# Altium PCB ASCII-senoko_pvt1.PcbDoc (part 1 of 3) (continued)
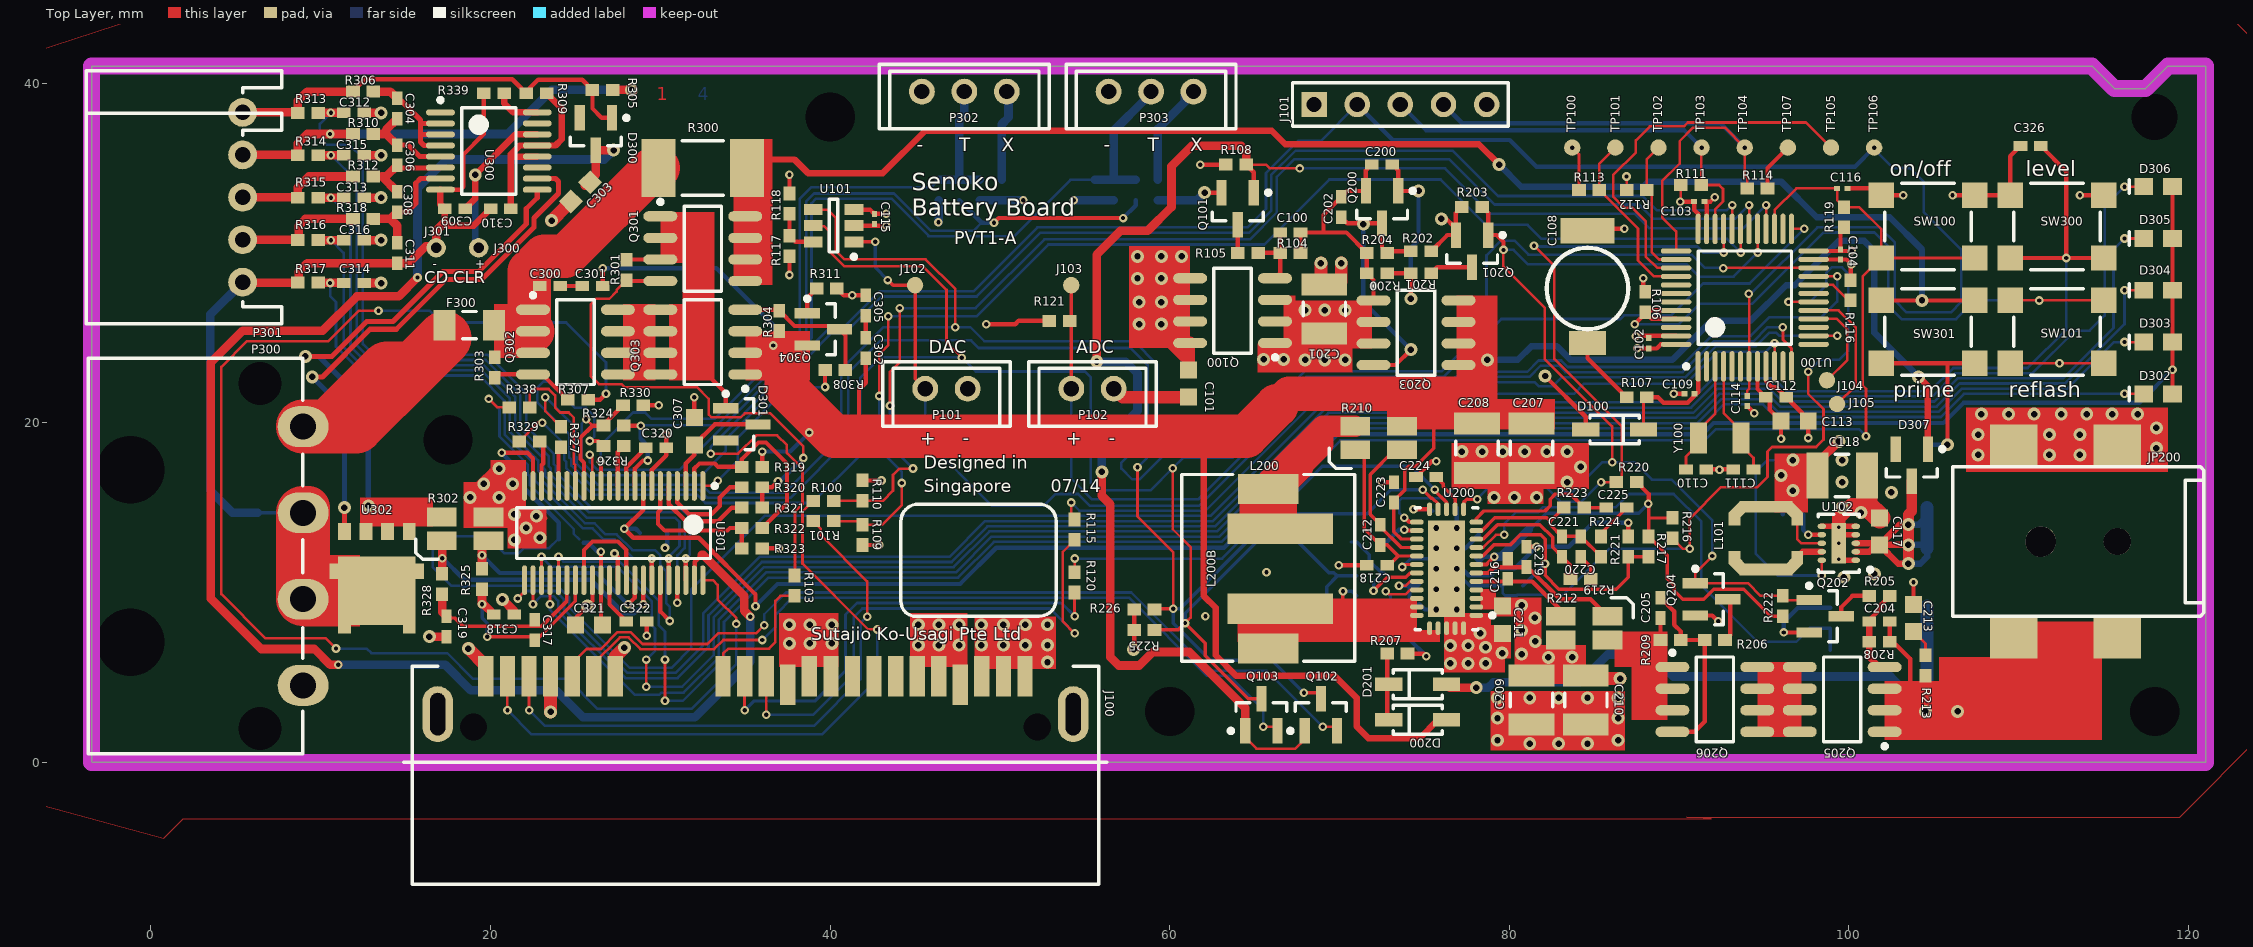
[diagram p0: Top Layer view]
## Design rules (kind name [scope] priority, off if disabled: settings) (continued)
RoutingTopology [All] p0: scope1count=1 scope1_0_kind=Board scope1_0_value=Board scope2count=1 scope2_0_kind=Board scope2_0_value=Board commentlength=0 topology=Shortest
RoutingVias [All] p0: scope1count=1 scope1_0_kind=Board scope1_0_value=Board scope2count=1 scope2_0_kind=Board scope2_0_value=Board commentlength=0 holewidth=0.381 width=0.762 viastyle="Through Hole" minholewidth=0.254 minwidth=0.508 maxholewidth=0.381 maxwidth=0.762
RoutingVias [All] p1: holewidth=0.381 width=0.762 viastyle="Through Hole" minholewidth=0.254 minwidth=0.508 maxholewidth=0.381 maxwidth=0.762
ShortCircuit [All] p0: scope1count=1 scope1_0_kind=Board scope1_0_value=Board scope2count=1 scope2_0_kind=Board scope2_0_value=Board commentlength=0 allowed=FALSE
SilkToBoardRegionClearance [All] p0: scope1count=1 scope1_0_kind=Board scope1_0_value=Board scope2count=1 scope2_0_kind=Board scope2_0_value=Board commentlength=0
SilkToSilkClearance [All] p0 off: scope1count=1 scope1_0_kind=Board scope1_0_value=Board scope2count=1 scope2_0_kind=Board scope2_0_value=Board commentlength=0
SilkToSilkClearance [All] p1 off: silktosilkclearance=0.254
SilkToSolderMaskClearance SilkscreenOverComponentPads [All] p0 off: scope1count=1 scope1_0_kind=Board scope1_0_value=Board scope2count=1 scope2_0_kind=Board scope2_0_value=Board commentlength=44 // Protel DXP Scope 1 Expression Was: IsPad
SilkToSolderMaskClearance SilkscreenOverComponentPads [IsPad] p1 off: minsilkscreentomaskgap=0.254 clearancetoexposedcopper=TRUE
SolderMaskExpansion [All] p0: scope1count=1 scope1_0_kind=Board scope1_0_value=Board scope2count=1 scope2_0_kind=Board scope2_0_value=Board commentlength=0 expansion=0.07
SolderMaskExpansion [All] p1: expansion=0.07
UnRoutedNet [All] p0: scope1count=1 scope1_0_kind=Board scope1_0_value=Board scope2count=1 scope2_0_kind=Board scope2_0_value=Board commentlength=0
Width [All] p0: scope1count=1 scope1_0_kind=Board scope1_0_value=Board scope2count=1 scope2_0_kind=Board scope2_0_value=Board commentlength=0 maxlimit=5.08 minlimit=0.152 preferedwidth=0.203
Width [All] p1: maxlimit=5.08 minlimit=0.152 preferedwidth=0.203 minimp=50.000000 maximp=50.000000 favimp=50.000000
21 further rules are at their usual default settings.

## Classes and differential pairs
component class controller: C100 C101 C102 C103 C104 C108 C109 C110 C111 C112 C113 C114 C115 C116 C117 C118 D100 D101 J100 J101 J102 J103 J104 J105 L101 N100 P101 P102 Q100 Q101 Q102 Q103 R100 R101 R102 R103 R104 R105 R106 R107 R108 R109 R110 R111 R112 R113 R114 R115 R116 R117 R118 R119 R120 R121 SW100 SW101 TP100 TP101 TP102 TP103 TP104 TP105 TP106 TP107 U100 U101 U102 Y100
component class charger: C200 C201 C202 C203 C204 C205 C206 C207 C208 C209 C210 C211 C212 C213 C214 C215 C216 C217 C218 C219 C220 C221 C222 C223 C224 C225 D200 D201 D202 JP200 L200 L200B Q200 Q201 Q202 Q203 Q204 Q205 Q206 R200 R201 R202 R203 R204 R205 R206 R207 R208 R209 R210 R211 R212 R213 R214 R215 R216 R217 R218 R219 R220 R221 R222 R223 R224 R225 R226 U200
component class battery: C300 C301 C302 C303 C304 C305 C306 C307 C308 C309 C310 C311 C312 C313 C314 C315 C316 C317 C318 C319 C320 C321 C322 C323 C324 C325 C326 D300 D301 D302 D303 D304 D305 D306 D307 D308 F300 J300 J301 P300 P301 P302 P303 Q301 Q302 Q303 Q304 R300 R301 R302 R303 R304 R305 R306 R307 R308 R309 R310 R311 R312 R313 R314 R315 R316 R317 R318 R319 R320 R321 R322 R323 R324 R325 R326 R327 R328 R329 R330 R331 R332 R333 R334 R335 R336 R337 R338 R339 SW300 SW301 U300 U301 U302

## Components (designator, comment, footprint, x,y, rotation, side; value= is the part's Value field where it differs from the comment)
C100 "10nF, X7R, 50V 10%" CAPC1005N 67.1,31.2 r180 top
C101 "2.2uF, 25V, 10% X5R" CAPC1608N 61.1,22.3 r270 top
C102 "0.1uF, 6.3V, X5R" CAPC0603N_B 88.21,24.677 r90 top
C103 "0.1uF, 6.3V, X5R" CAPC0603N_B 91.18,33.02 r0 top
C104 "0.1uF, 6.3V, X5R" CAPC0603N_B 99.5,29.9 r270 top
C108 "0.06F 3.3V coin supercap" TAIYO_YUDEN_PAS414HR-VA5R 84.6,27.9 r90 top
C109 "0.1uF, 6.3V, X5R" CAPC0603N_B 90.614,21.707 r180 top
C110 "6.8pF, NP0" CAPC1005N 91,17.25 r0 top
C111 "6.8pF, NP0" CAPC1005N 93.775,17.25 r180 top
C112 "10nF, X7R, 50V 10%" CAPC1005N 95.7,21.5 r0 top
C113 "1.0uF, 25V, 20% X5R" CAPC1608N 96.8,20.1 r0 top
C114 "0.1uF, 6.3V, X5R" CAPC0603N_B 94.008,21.282 r270 top
C115 "0.1uF, 6.3V, X5R" CAPC0603N_B 42.6,32 r90 top
C116 "0.1uF, 6.3V, X5R" CAPC0603N_B 99.6,33.8 r180 top
C117 "2.2uF, 25V, 10% X5R" CAPC1608N 101.8,13.6 r90 top
C118 "22uF, 25V, X5R, 10%" CAPC3225N 99.6,16.9 r0 top
C200 "DNP" CAPC1005N 72.5,35.2 r180 top
C201 "22uF, 25V, X5R, 10%" CAPC3225N 69.1,26.7 r90 top
C202 "0.1uF, 25V, X5R" CAPC1005N 70.1,32.7 r270 top
C203 "0.1uF, 25V, X5R" CAPC1005N 74.7,9.925 r270 bottom
C204 "0.1uF, 25V, X5R" CAPC1005N 101.8,8.3 r0 top
C205 "10nF, X7R, 50V 10%" CAPC1005N 88.9,9.1 r270 top
C206 "0.1uF, 25V, X5R" CAPC1005N 71,10.4 r270 bottom
C207 "22uF, 25V, X5R, 10%" CAPC3225N 81.3,18.5 r270 top
C208 "22uF, 25V, X5R, 10% (DNP)" CAPC3225N 78.1,18.5 r270 top
C209 "22uF, 25V, X5R, 10%" CAPC3225N 81.3,3.675 r270 top
C210 "22uF, 25V, X5R, 10% (DNP)" CAPC3225N 84.5,3.675 r270 top
C211 "1.0uF, 25V, 20% X5R" CAPC1608N 79.6,8.4 r270 top
C212 "0.1uF, 25V, X5R" CAPC1005N 72.4,13.4 r270 top
C213 "2.2uF, 25V, 10% X5R" CAPC1608N 103.8,8.5 r90 top
C214 "1.0uF, 25V, 20% X5R" CAPC1608N 78.2,12.6 r90 bottom
C215 "1.0uF, 25V, 20% X5R" CAPC1608N 72.625,11.925 r90 bottom
C216 "0.1uF, 25V, X5R" CAPC1005N 79.9,11.4 r270 top
C217 "10nF, X7R, 50V 10%" CAPC1005N 97.7,8.5 r90 bottom
C218 "0.1uF, 25V, X5R" CAPC1005N 72.2,11.6 r0 top
C219 "0.1uF, 25V, X5R" CAPC1005N 81,12.1 r90 top
C220 "2.2nF, X7R, 10%" CAPC1005N 84.2,12.7 r90 top
C221 "51pF, NP0" CAPC1005N 83.1,12.7 r90 top
C222 "1.0uF, 25V, 20% X5R" CAPC1608N 76.25,14.8 r0 bottom
C223 "0.1uF, 25V, X5R" CAPC1005N 73.2,15.9 r270 top
C224 "100pF, NP0" CAPC1005N 75.1,16.8 r180 top
C225 "130pF, NP0" CAPC1005N 86.3,15 r180 top
C300 "0.1uF, 25V, X5R" CAPC1005N 23.5,28.05 r180 top
C301 "0.1uF, 25V, X5R" CAPC1005N 26,28.05 r180 top
C302 "0.1uF, 25V, X5R" CAPC1005N 42.1,24.4 r270 top
C303 "1.0uF, 25V, 20% X5R" CAPC1608N 25.3,33.6 r225 top
C304 "0.1uF, 25V, X5R" CAPC1005N 14.5,38.5 r270 top
C305 "0.1uF, 25V, X5R" CAPC1005N 42.1,26.9 r270 top
C306 "0.1uF, 25V, X5R" CAPC1005N 14.5,35.75 r270 top
C307 "1.0uF, 25V, 20% X5R" CAPC1608N 32,19.5 r90 top
C308 "0.1uF, 25V, X5R" CAPC1005N 14.5,33 r270 top
C309 "0.22uF, 25V, X5R" CAPC1005N 17.9,32.6 r180 top
C310 "0.1uF, 25V, X5R" CAPC1005N 20.6,32.6 r180 top
C311 "0.1uF, 25V, X5R" CAPC1005N 14.5,30 r270 top
C312 "0.1uF, 25V, X5R" CAPC1005N 11.95,38.25 r0 top
C313 "0.1uF, 25V, X5R" CAPC1005N 11.95,33.25 r0 top
C314 "0.1uF, 25V, X5R" CAPC1005N 11.95,28.225 r0 top
C315 "0.1uF, 25V, X5R" CAPC1005N 11.95,35.75 r0 top
C316 "0.1uF, 25V, X5R" CAPC1005N 11.95,30.75 r0 top
C317 "0.1uF, 25V, X5R" CAPC1005N 22.6,7.8 r90 top
C318 "0.1uF, 25V, X5R" CAPC1005N 20.8,8.7 r0 top
C319 "0.1uF, 25V, X5R" CAPC1005N 17.4,8 r270 top
C320 "0.1uF, 25V, X5R" CAPC1005N 29.75,18.525 r0 top
C321 "1.0uF, 25V, 20% X5R" CAPC1608N 25.8,8.1 r180 top
C322 "0.1uF, 25V, X5R" CAPC1005N 28.6,8.3 r0 top
C323 "10uF, 10V, X5R, 20%" CAPC1608N 29.6,13.5 r0 bottom
C324 "0.47uF, 16V, X5R" CAPC1005N 55.6,33.7 r270 bottom
C325 "0.47uF, 16V, X5R" CAPC1005N 48.8,33.7 r270 bottom
C326 "0.1uF, 25V, X5R" CAPC1005N 110.7,36.3 r180 top
D100 "BAT54T1G" SOD123 86.2,19.6 r0 top
D101 "BAT54T1G" SOD123 104.6,10.9 r90 bottom
D200 "BAT54T1G" SOD123 74.6,2.5 r180 top
D201 "BAT54T1G" SOD123 74.6,4.6 r180 top
D202 "BAT54T1G" SOD123 68.975,12.975 r180 bottom
D300 "BAS16" SOT23-3N 26.2,37 r270 top
D301 "BAS16" SOT23-3N 34.8,19.9 r0 top
D302 "APT1608SGC green" CD1608-0603 118.2,21.7 r180 top
D303 "APT1608SGC green" CD1608-0603 118.2,24.75 r180 top
D304 "APT1608SGC green" CD1608-0603 118.2,27.8 r180 top
D305 "APT1608SGC green" CD1608-0603 118.2,30.85 r180 top
D306 "APT1608SGC green" CD1608-0603 118.2,33.9 r180 top
D307 "BAS16" SOT23-3N 103.7,17.5 r270 top
D308 "BAT54T1G" SOD123 104.6,16.7 r270 bottom
F300 "Littlefuse 0437007.WR 7A 35V Fast Blow" RESC3216N 18.75,25.75 r0 top
J100 "MOLEX 47018-2000 female" SATA_MOLEX_47018_2000 35.6,2.075 r0 top
J101 "Male 2.54mm 5x1 header (DNP)" HDR1X5 68.5,38.74 r0 top
J102 "test point (DNP)" TP_SMT_38mil 45,28.1 r90 top
J103 "test point (DNP)" TP_SMT_38mil 54.2,28.1 r90 top
J104 "test point (DNP)" TP_SMT_38mil 98.7,22.5 r180 top
J105 "test point (DNP)" TP_SMT_38mil 99.3,21.1 r180 top
J300 "test point (DNP)" TP_HOLE 19.3,30.3 r90 top
J301 "test point (DNP)" TP_HOLE 16.8,30.3 r90 top
JP200 "2.1mm x 5.5mm DC jack" CUI_PJ_002AH_SMT 111.3,13 r180 top
L101 "10uH LPS4018-103" COILCRAFT_LPS4018 95.1,13.2 r90 top
L200 "3.3uH, MSS1260-332NL (DNP)" COILCRAFT_MSS1048 65.8,6.7 r0 top
L200B "3.3uH, XAL7030-322MEC" COILCRAFT_XAL7030 66.5,11.4 r90 top
P101 "JST B2B-EH-A" JST_B2B_EH_A 45.6,22 r0 top
P102 "JST B2B-EH-A" JST_B2B_EH_A 54.2,22 r0 top
P300 "Molex 15-24-4441" MOLEX_15-24-4441 -1.2,12.15 r90 top
P301 "JST S4B-XH-A" JST_S5B-XH-A_OPT4 5.4,34.525 r90 top
P302 "JST B3B-EH-A" JST_B3B_EH_A 45.4,39.5 r0 top
P303 "JST B3B-EH-A" JST_B3B_EH_A 56.4,39.5 r0 top
Q100 "Si4435DY" SOIC127P600-8AN 63.7,26.6 r180 top
Q101 "BSS138" SOT23-3N 64,32.6 r270 top
Q102 "BSS138" SOT23-3N 68.9,2.8 r90 top
Q103 "BSS138" SOT23-3N 65.4,2.8 r90 top
Q200 "FDN304P" SOT23-3N 72.5,32.7 r270 top
Q201 "BSS138" SOT23-3N 77.8,30.1 r270 top
Q202 "BSS138" SOT23-3N 98.6,8.6 r0 top
Q203 "Si4435DY" SOIC127P600-8AN 74.5,25.3 r0 top
Q204 "BSS138" SOT23-3N 91.9,9.6 r0 top
Q205 "Si4435DY" SOIC127P600-8AN 99.6,3.7 r180 top
Q206 "Si4435DY" SOIC127P600-8AN 92.1,3.7 r0 top
Q301 "Si4435DY" SOIC127P600-8AN 32.5,30.25 r0 top
Q302 "FDS6690A" SOIC127P600-8AN 25,24.75 r0 top
Q303 "FDS6690A" SOIC127P600-8AN 32.5,24.75 r180 top
Q304 "BSS138" SOT23-3N 39.6,25.5 r0 top
R100 "330, 1%" RESC1005N 39.6,15.4 r180 top
R101 "330, 1%" RESC1005N 39.6,14.2 r180 top
R102 "100k, 1%" RESC1005N 96.7,14.6 r0 bottom
R103 "330, 1%" RESC1005N 37.9,10.4 r270 top
R104 "10k, 1%" RESC1005N 67.1,30 r0 top
R105 "10k, 1%" RESC1005N 64.6,30 r0 top
R106 "47k, 1%" RESC1005N 88,27.1 r270 top
R107 "1k, 1%" RESC1005N 87.5,21.5 r0 top
R108 "100k, 1%" RESC1005N 63.9,35.2 r0 top
R109 "47k, 1%" RESC1005N 41.9,13.4 r270 top
R110 "47k, 1%" RESC1005N 41.9,16 r90 top
R111 "10k, 1%" RESC1005N 90.7,34 r180 top
R112 "10k, 1%" RESC1005N 87.5,33.7 r180 top
R113 "10k, 1%" RESC1005N 84.7,33.7 r180 top
R114 "10k, 1%" RESC1005N 94.6,33.8 r180 top
R115 "330, 1%" RESC1005N 54.4,13.7 r270 top
R116 "10k, 1%" RESC1005N 100.1,27.8 r270 top
R117 "10k, 1% (DNP)" RESC1005N 37.6,30.4 r90 top
R118 "10k, 1%" RESC1005N 37.6,32.9 r90 top
R119 "47k, 1%" RESC1005N 99.7,32.1 r270 top
R120 "330, 1%" RESC1005N 54.4,10.6 r270 top
R121 "4.7k, 1%" RESC1005N 53.5,26 r180 top
R200 "10k, 1%" RESC1005N 72.2,28.8 r0 top
R201 "20k, 1%" RESC1005N 74.8,28.8 r0 top
R202 "100k, 1%" RESC1005N 74.8,30.1 r0 top
R203 "1M, 1%" RESC1005N 77.8,32.7 r0 top
R204 "100k, 1%" RESC1005N 72.2,30 r0 top
R205 "10k, 1%" RESC1005N 101.8,9.8 r180 top
R206 "10k, 1%" RESC1005N 92.1,7.2 r180 top
R207 "10 ohm, 1%" RESC1005N 73.4,6.4 r0 top
R208 "10k, 1%" RESC1005N 101.8,7.1 r180 top
R209 "10k, 1%" RESC1005N 89.5,7.2 r0 top
R210 "0.010 ohm, 1% kelvin, 50ppm" OHMITE_LVK_1206_KELVIN 72.3,19.1 r0 top
R211 "3.9 ohm, 5%" RESC1005N 72.8,9.075 r180 bottom
R212 "0.010 ohm, 1% kelvin, 50ppm" OHMITE_LVK_1206_KELVIN 84.4,7.9 r180 top
R213 "3.9 ohm, 5%" RESC1005N 104.5,5.7 r90 top
R214 "316k, 1%" RESC1005N 98.9,6 r90 bottom
R215 "66.5k, 1%" RESC1005N 98.9,8.5 r90 bottom
R216 "10k, 1%" RESC1005N 89.6,13.8 r270 top
R217 "200k, 1%" RESC1005N 88.2,12.7 r270 top
R218 "1.4M, 1%" RESC1005N 80.2,10.575 r180 bottom
R219 "7.5k, 1%" RESC1005N 84.2,10.8 r180 top
R220 "10k, 1%" RESC1005N 86.9,16.5 r180 top
R221 "49.9k, 1%" RESC1005N 87,12.7 r90 top
R222 "10k, 1%" RESC1005N 96.1,9.2 r90 top
R223 "200k, 1%" RESC1005N 83.8,15 r0 top
R224 "20k, 1%" RESC1005N 85.4,12.7 r90 top
R225 "10k, 1%" RESC1005N 58.5,7.8 r0 top
R226 "10k, 1%" RESC1005N 58.5,9 r0 top
R300 "300, 5%, 1W" RESC6432N 32.5,35 r180 top
R301 "1M, 1%" RESC1005N 28,29 r90 top
R302 "0.010 ohm, 1% kelvin, 50ppm" OHMITE_LVK_1206_KELVIN 18.5,13.75 r0 top
R303 "3.01M, 1%" RESC1005N 20.25,23.25 r270 top
R304 "3.01M, 1%" RESC1005N 37,26 r270 top
R305 "0 ohm" RESC1005N 26.6,39.6 r180 top
R306 "1k, 1%" RESC1005N 12.5,39.5 r0 top
R307 "5.1k, 1%" RESC1005N 25.15,21.35 r0 top
R308 "5.1k, 1%" RESC1005N 40.3,23.1 r180 top
R309 "1k, 1%" RESC1005N 22.7,39.4 r0 top
R310 "1k, 1%" RESC1005N 12.5,37 r0 top
R311 "1M, 1%" RESC1005N 39.8,27.9 r0 top
R312 "1k, 1%" RESC1005N 12.5,34.5 r0 top
R313 "100, 1%" RESC1005N 9.25,38.25 r0 top
R314 "100, 1%" RESC1005N 9.25,35.75 r0 top
R315 "100, 1%" RESC1005N 9.25,33.25 r0 top
R316 "100, 1%" RESC1005N 9.25,30.75 r0 top
R317 "100, 1%" RESC1005N 9.25,28.25 r0 top
R318 "1k, 1%" RESC1005N 12.5,32 r0 top
R319 "1k, 1%" RESC1005N 35.4,17.4 r180 top
R320 "5.1k, 1%" RESC1005N 35.4,16.2 r180 top
R321 "5.1k, 1% (DNP)" RESC1005N 35.4,15 r180 top
R322 "100k, 1% (DNP)" RESC1005N 35.4,13.8 r0 top
R323 "100k, 1%" RESC1005N 35.4,12.6 r0 top
R324 "100k, 1%" RESC1005N 27.25,19.825 r180 top
R325 "100, 1%" RESC1005N 19.5,10.8 r90 top
R326 "0 ohm" RESC1005N 27.25,18.625 r180 top
R327 "0 ohm" RESC1005N 24.15,19.15 r90 top
R328 "100, 1%" RESC1005N 17.15,10.5 r90 top
R329 "0 ohm" RESC1005N 22.3,18.9 r180 top
R330 "1k, 1%" RESC1005N 28.4,21.025 r0 top
R331 "8.45k, 1%" RESC1005N 47.6,33.7 r270 bottom
R332 "8.45k, 1%" RESC1005N 58,33.7 r270 bottom
R333 "61.9k, 1%" RESC1005N 56.7,33.7 r90 bottom
R334 "100k, 1%" RESC1005N 24.625,13.125 r0 bottom
R335 "61.9k, 1%" RESC1005N 46.4,33.7 r90 bottom
R336 "10k, 1%" RESC1005N 50.1,33.7 r90 bottom
R337 "10k, 1%" RESC1005N 59.3,33.7 r90 bottom
R338 "5.1k, 1%" RESC1005N 21.7,20.9 r0 top
R339 "1k, 1% (DNP)" RESC1005N 20.2,39.4 r180 top
SW100 "TL3342F160QG/TR" SWITCH_TS-1187A 101.9,29.7 r90 top
SW101 "TL3342F160QG/TR" SWITCH_TS-1187A 109.5,23.5 r90 top
SW300 "TL3342F160QG/TR" SWITCH_TS-1187A 115,33.4 r270 top
SW301 "TL3342F160QG/TR" SWITCH_TS-1187A 107.4,27.2 r270 top
TP100 "38mil SMT pad" TP_SMT_38mil 83.7,36.2 r90 top
TP101 "38mil SMT pad" TP_SMT_38mil 86.24,36.2 r90 top
TP102 "38mil SMT pad" TP_SMT_38mil 88.78,36.2 r90 top
TP103 "38mil SMT pad" TP_SMT_38mil 91.32,36.2 r90 top
TP104 "38mil SMT pad" TP_SMT_38mil 93.86,36.2 r90 top
TP105 "38mil SMT pad" TP_SMT_38mil 98.94,36.2 r90 top
TP106 "38mil SMT pad" TP_SMT_38mil 101.48,36.2 r90 top
TP107 "38mil SMT pad" TP_SMT_38mil 96.4,36.2 r90 top
U100 "STM32F101C8T6" TSQFP50P900X900-48N 93.867,27.364 r90 top
U101 "DAC081C081CIMK" SOT26A-6N 40.2,31.6 r180 top
U102 "TPS62177DQCT" TI_DQC_R_PWSON_N10 99.4,12.9 r180 top
U200 "BQ24765RUV" TI_R-PVQFN-N34 76.3,11.4 r180 top
U300 "bq77PL157A4225" TSOP65P640-16AN 19.9,36 r0 top
U301 "BQ20Z95DBT" TSSOP50P640-44N 27.25,13.5 r270 top
U302 "NTMFS4C35NT1G" ONSEMI_DFN5_5x6_1.27P 13.3,10.8 r0 top
Y100 "Abracon ABS07-120-32.768KHZ-T 6pF CL" ABS07-120 92.4,19.1 r180 top

## Footprints (in the part's own frame and the unit in brackets; to place one, negate y for a bottom-side part, rotate by r counter-clockwise, add the part's x,y. Pads: shape width x height; smd on the part's side, far side on the other; paste and mask are expansions set on the pad)
ABS07-120 [mm] "32.768kHz SMD low-ESR"
  rect 1x1.8 smd: 1(-1.25,0) 2(1.25,0)
CAPC0603N_B [mm] "Chip Capacitor, 2-Leads, Body 0.6x0.3mm, IPC Medium Density"
  rect 0.35x0.3 smd mask+0.07: 1(-0.3,0) 2(0.3,0)
CAPC1005N [mm] "Chip Capacitor, Body 1.0x0.5mm, IPC Medium Density"
  rect 0.8x0.6 smd: 1(-0.6,0) 2(0.6,0)
CAPC1608N [mm] "Chip Capacitor, Body 1.6x0.8mm, IPC Medium Density"
  rect 1x1 smd: 1(-0.8,0) 2(0.8,0)
CAPC3225N [mm] "Chip Capacitor, Body 3.2x2.5mm, IPC Medium Density"
  rect 1.3x2.7 smd: 1(-1.45,0) 2(1.45,0)
  silkscreen extent -0.4,-1.25 0.4,1.25
CD1608-0603 [mm] "Chip Diode; Body 1.6 x 0.8 mm (LxW typ)"
  rect 1.1x1 smd: 1(-0.85,0) 2(0.85,0)
  silkscreen extent 1.7,-0.4 1.7,0.4
COILCRAFT_LPS4018 [mm] "Coilcraft SMT power inductor, shielded, high current"
  rect 0.7x3.124 smd mask+0.07: 1(-1.85,0) 2(1.85,0)
  rect 0.7x1 smd rot 135 mask+0.07: 1(-1.6,1.6) 2(1.6,-1.6)
  rect 0.7x1 smd rot 45 mask+0.07: 1(-1.6,-1.6) 2(1.6,1.6)
  rect 0.75x0.7 smd mask+0.07: 1(-1.125,1.85) 1(-1.125,-1.85) 2(1.125,1.85) 2(1.125,-1.85)
COILCRAFT_MSS1048 [mm] "Coilcraft shielded power inductor"
  rect 3.56x1.78 smd mask+0.075: 1(0,0) 2(0,9.4)
  silkscreen extent -5.1,-0.75 5.1,10.25
COILCRAFT_XAL7030 [mm] "XAL7030 inductor"
  rect 1.78x6.22 smd: 1(-2.36,0) 2(2.36,0)
CUI_PJ_002AH_SMT [mm] "SMT 2.1mmx5.5mm ID (P-5) connector"
  round 1.6 hole 1.6 unplated: 0(-4.5,0)
  round 1.8 hole 1.8 unplated: 0(0,0)
  rect 2.8x2.4 smd: 1(-4.5,5.7) 1(1.6,5.7) 2(-4.5,-5.7) 3(1.6,-5.7)
  silkscreen extent -9.6,-4.4 5.2,4.4
HDR1X5 [mm] "Connector; Header; 5 Position"
  rect 1.5x1.5 hole 0.9: 1(0,0)
  round 1.5 hole 0.9: 2(2.54,0) 3(5.08,0) 4(7.62,0) 5(10.16,0)
  silkscreen extent -1.27,-1.27 11.43,1.27
JST_B2B_EH_A [mil] "2-pin 2.5mm low cost connector"
  round 60 hole 35.43: 1(0,0) 2(98.42,0)
  silkscreen extent -98,-87 197,63
JST_B3B_EH_A [mil] "3-pin 2.5mm low cost connector"
  round 60 hole 35.43: 1(0,0) 2(98.43,0) 3(196.85,0)
  silkscreen extent -98,-87 295,63
JST_S5B-XH-A_OPT4 [mm] "JST 5-pin 2.5mm RA male connector with 4-pin stuff option"
  round 1.7 hole 0.9 mask+0.07: 1(3.75,0) 2(1.25,0) 3(-1.25,0) 4(-3.75,0) 5(-6.25,0)
  silkscreen extent -8.7,-2.3 6.2,9.2
MOLEX_15-24-4441 [mm] "4-pin classic PC disk drive power connector, RA"
  round 2.4 hole 2.54 unplated mask+0.07: 0(-10.16,-7.62) 0(10.16,-7.62)
  round 2.4 hole 3.99 unplated mask+0.07: 0(-5.08,0) 0(5.08,0)
  oval 2.4x3 hole 1.52 mask+0.07: 1(7.62,-10.16) 2(2.54,-10.16) 3(-2.54,-10.16) 4(-7.62,-10.16)
  silkscreen extent -11.65,-10.15 11.65,2.5
OHMITE_LVK_1206_KELVIN [mm] "4-terminal kelvin sense resistor, 1206 package"
  rect 1.75x1.1 smd mask+0.07: 1(-1.375,-0.7) 2(-1.375,0.7) 3(1.375,0.7) 4(1.375,-0.7)
  silkscreen extent -2.9,-1.8 -1.6,-0.6
ONSEMI_DFN5_5x6_1.27P [mm] "DFN 5x6 package, power FET"
  rect 0.75x1 smd mask+0.07: 1(1.905,2.795) 2(0.635,2.795) 3(-0.635,2.795) 4(-1.905,2.795)
  rect 0.495x0.905 smd mask+0.07: 5(-2.528,0.453) 8(2.528,0.453)
  rect 0.75x0.475 smd mask+0.07: 6(-1.905,-2.963) 7(1.905,-2.963)
  rect 4.56x4.055 smd paste-3 mask+0.07: 9(0,-0.697)
RESC1005N [mm] "Chip Resistor, Body 1.1x0.5mm, IPC Medium Density"
  rect 0.8x0.7 smd: 1(-0.6,0) 2(0.6,0)
RESC3216N [mm] "Chip Resistor, Body 3.2x1.6mm, IPC Medium Density"
  rect 1.3x1.8 smd: 1(-1.45,0) 2(1.45,0)
  silkscreen extent -0.4,-0.8 0.4,0.8
RESC6432N [mm] "Chip Resistor, Body 6.4x3.2mm, IPC Medium Density"
  rect 2x3.4 smd: 1(-2.6,0) 2(2.6,0)
  silkscreen extent -1.2,-1.6 1.2,1.6
SATA_MOLEX_47018_2000 [mm] "SATA docking connector, top mount type"
  oval 1.8x3.3 hole 0.9 slot 2.5 at 90 deg mask+0.07: 0(-18.71,0.76) 0(18.71,0.76)
  round 1 hole 1.6 unplated mask+0.07: 0(-16.595,0) 0(16.595,0)
  rect 0.9x2.4 smd mask+0.07: 1(15.875,3) 2(14.605,3) 3(13.335,3) 4(12.065,2.5) 5(10.795,3) 6(9.525,3) 7(8.255,3) 8(6.985,3) 9(5.715,3) 10(4.445,3) 11(3.175,3) 12(1.905,2.5) 13(0.635,3) 14(-0.635,3) 15(-1.905,3) 16(-8.255,3) 17(-9.525,3) 18(-10.795,3) 19(-12.065,3) 20(-13.335,3) 21(-14.605,3) 22(-15.875,3)
  silkscreen extent -20.73,-9.25 20.7,3.57
SOD123 [mm] "SOD-123; 2 Leads; Body 2.7 x 1.6 mm, (LxW)"
  rect 1.6x0.8 smd: 1(-1.7,0) 2(1.7,0)
  silkscreen extent -1.45,-0.85 1.45,0.85
SOIC127P600-8AN [mm] "SOIC, 8-Leads, Body 4.9x3.9mm, Pitch 1.27mm, IPC Medium Density"
  oval 2x0.6 smd: 1(-2.5,1.905) 2(-2.5,0.635) 3(-2.5,-0.635) 4(-2.5,-1.905) 5(2.5,-1.905) 6(2.5,-0.635) 7(2.5,0.635) 8(2.5,1.905)
  silkscreen extent -2.63,-2.5 1.1,2.88
SOT23-3N [mm] "SOT23, 3-Leads, Body 2.9x1.3mm, Pitch 0.95mm, Lead Span 2.5mm, IPC Medium Density"
  rect 1.5x0.6 smd: 1(-0.95,0.95) 2(-0.95,-0.95) 3(0.95,0)
  silkscreen extent -1.07,-1.5 0.7,1.93
SOT26A-6N [mm] "SOT23, 6-Leads, Body 2.9x1.7mm, Pitch 0.95mm, Lead Span 2.8mm, IPC Medium Density"
  rect 1.1x0.65 smd: 1(-1.2,0.95) 2(-1.2,0) 3(-1.2,-0.95) 4(1.2,-0.95) 5(1.2,0) 6(1.2,0.95)
  silkscreen extent -1.33,-1.55 0.25,1.95
SWITCH_TS-1187A [mm] "TS-1187A tact switch, Chi Fung Electronics"
  rect 1.5x1.5 smd mask+0.07: 1(0,0) 2(0,-5.5) 3(3.7,0) 4(3.7,-5.5)
  silkscreen extent -0.7,-5.3 4.4,-0.2
TAIYO_YUDEN_PAS414HR-VA5R [mm] "Taiyo Yuden Supercap"
  rect 1.4x2.2 smd: 1(-3.2,0)
  rect 1.5x3.2 smd: 2(3.4,0)
  silkscreen extent -2.4,-2.4 2.4,2.4
TI_DQC_R_PWSON_N10 [mm] "TI Plastic small outline no-lead 10 pins with power pad"
  oval 0.5x0.3 smd mask+0.07: 1(-1,1) 2(-1,0.5) 3(-1,0) 4(-1,-0.5) 5(-1,-1) 6(1,-1) 7(1,-0.5) 8(1,0) 9(1,0.5) 10(1,1)
  rect 0.84x2.4 smd mask+0.07: 11(0,0)
  silkscreen extent -1.98,-1.7 1.2,1.7
TI_R-PVQFN-N34 [mm] "34-pin QFN (from TI datasheet)"
  oval 0.8x0.3 smd mask+0.07: 1(-1.75,2.75) 2(-1.75,2.25) 3(-1.75,1.75) 4(-1.75,1.25) 5(-1.75,0.75) 6(-1.75,0.25) 7(-1.75,-0.25) 8(-1.75,-0.75) 9(-1.75,-1.25) 10(-1.75,-1.75) 11(-1.75,-2.25) 12(-1.75,-2.75) 18(1.75,-2.75) 19(1.75,-2.25) 20(1.75,-1.75) 21(1.75,-1.25) 22(1.75,-0.75) 23(1.75,-0.25) 24(1.75,0.25) 25(1.75,0.75) 26(1.75,1.25) 27(1.75,1.75) 28(1.75,2.25) 29(1.75,2.75)
  oval 0.3x0.8 smd mask+0.07: 13(-1,-3.5) 14(-0.5,-3.5) 15(0,-3.5) 16(0.5,-3.5) 17(1,-3.5) 30(1,3.5) 31(0.5,3.5) 32(0,3.5) 33(-0.5,3.5) 34(-1,3.5)
  rect 2.2x5.7 smd mask+0.07: 35(0,0)
  silkscreen extent -2.83,-3.6 1.85,3.6
TP_HOLE [mil] "Bare wire test point hole"
  round 45 hole 25: 1(0,0)
TP_SMT_38mil [mil] "38 mil round test point, SMT"
  round 38 smd: 1(0,0)
TSOP65P640-16AN [mm] "TSOP, 16-Leads, Body 5x4.4mm, Pitch 0.65mm, IPC Medium Density"
  oval 1.7x0.35 smd: 1(-2.85,2.275) 2(-2.85,1.625) 3(-2.85,0.975) 4(-2.85,0.325) 5(-2.85,-0.325) 6(-2.85,-0.975) 7(-2.85,-1.625) 8(-2.85,-2.275) 9(2.85,-2.275) 10(2.85,-1.625) 11(2.85,-0.975) 12(2.85,-0.325) 13(2.85,0.325) 14(2.85,0.975) 15(2.85,1.625) 16(2.85,2.275)
  silkscreen extent -2.97,-2.55 1.6,3.12
TSQFP50P900X900-48N [mm] "Thin QFP, 48-Leads, Body 7x7mm, Pitch 0.5mm, IPC Medium Density"
  oval 1.8x0.3 smd: 1(-4.05,2.75) 2(-4.05,2.25) 3(-4.05,1.75) 4(-4.05,1.25) 5(-4.05,0.75) 6(-4.05,0.25) 7(-4.05,-0.25) 8(-4.05,-0.75) 9(-4.05,-1.25) 10(-4.05,-1.75) 11(-4.05,-2.25) 12(-4.05,-2.75) 25(4.05,-2.75) 26(4.05,-2.25) 27(4.05,-1.75) 28(4.05,-1.25) 29(4.05,-0.75) 30(4.05,-0.25) 31(4.05,0.25) 32(4.05,0.75) 33(4.05,1.25) 34(4.05,1.75) 35(4.05,2.25) 36(4.05,2.75)
  oval 0.3x1.8 smd: 13(-2.75,-4.05) 14(-2.25,-4.05) 15(-1.75,-4.05) 16(-1.25,-4.05) 17(-0.75,-4.05) 18(-0.25,-4.05) 19(0.25,-4.05) 20(0.75,-4.05) 21(1.25,-4.05) 22(1.75,-4.05) 23(2.25,-4.05) 24(2.75,-4.05) 37(2.75,4.05) 38(2.25,4.05) 39(1.75,4.05) 40(1.25,4.05) 41(0.75,4.05) 42(0.25,4.05) 43(-0.25,4.05) 44(-0.75,4.05) 45(-1.25,4.05) 46(-1.75,4.05) 47(-2.25,4.05) 48(-2.75,4.05)
  silkscreen extent -4.17,-2.75 2.75,3.57
TSSOP50P640-44N [mm] "TSSOP, 44-Leads, Body 11x4.4mm, Pitch 0.5mm, IPC Medium Density"
  oval 1.75x0.3 smd: 1(-2.775,5.25) 2(-2.775,4.75) 3(-2.775,4.25) 4(-2.775,3.75) 5(-2.775,3.25) 6(-2.775,2.75) 7(-2.775,2.25) 8(-2.775,1.75) 9(-2.775,1.25) 10(-2.775,0.75) 11(-2.775,0.25) 12(-2.775,-0.25) 13(-2.775,-0.75) 14(-2.775,-1.25) 15(-2.775,-1.75) 16(-2.775,-2.25) 17(-2.775,-2.75) 18(-2.775,-3.25) 19(-2.775,-3.75) 20(-2.775,-4.25) 21(-2.775,-4.75) 22(-2.775,-5.25) 23(2.775,-5.25) 24(2.775,-4.75) 25(2.775,-4.25) 26(2.775,-3.75) 27(2.775,-3.25) 28(2.775,-2.75) 29(2.775,-2.25) 30(2.775,-1.75) 31(2.775,-1.25) 32(2.775,-0.75) 33(2.775,-0.25) 34(2.775,0.25) 35(2.775,0.75) 36(2.775,1.25) 37(2.775,1.75) 38(2.775,2.25) 39(2.775,2.75) 40(2.775,3.25) 41(2.775,3.75) 42(2.775,4.25) 43(2.775,4.75) 44(2.775,5.25)
  silkscreen extent -2.9,-5.7 1.5,6.08

## Part data
C100 C101 C102 C103 C104 C109 C112 C113 C114 C115 C116 C117 C118 C200 C201 C202 C203 C204 C205 C206 C207 C208 C209 C210 C211 C212 C213 C214 C215 C216 C217 C218 C219 C220 C221 C222 C223 C224 C225 C300 C301 C302 C303 C304 C305 C306 C307 C308 C309 C310 C311 C312 C313 C314 C315 C316 C317 C318 C319 C320 C321 C322 C323 C324 C325 C326: library part "Cap Semi", "Capacitor (Semiconductor SIM Model)"
C108: library part "Cap Pol3", "Taiyo Yuden PAS414HR-VA5R"
C110 C111: library part "CAP NP"
D100 D101 D200 D201 D202 D308: library part "D Schottky", "Schottky Diode"
D300 D301 D307: library part "Diode 1N4148", "Silicon diode"
D302 D303 D304 D305 D306: library part LED2, "Typical RED, GREEN, YELLOW, AMBER GaAs LED"
F300: library part "Fuse Thermal", "Thermal Fuse"
J100: library part SATA_22P_HEADER, "SATA+Power connector"
J101: library part "Header 5", "Header, 5-Pin"
J102 J103 J104 J105 J300 J301 TP100 TP101 TP102 TP103 TP104 TP105 TP106 TP107: library part CON1, "Connector"
JP200: library part PWR2.5, "Low Voltage Power Supply Connector"
L101 L200 L200B: library part "Inductor Iron", "Magnetic-Core Inductor"
P101 P102: library part "Header 2", "Header, 2-Pin"
P300: library part "Header 4", "Classic PC hard drive power connector, RA"
P301: library part "Header 5", "JST S4B-XH-A 2.5mm RA connector, stuffed in 5-pin slot, high pin aligned"
P302 P303: library part "Header 3", "Header, 3-Pin"
Q100 Q203 Q205 Q206 Q301: "Singre P-channel FET, 8A, 30V"
Q101 Q102 Q103 Q201 Q202 Q204 Q304: library part MOSFET-N, "N-Channel MOSFET"
Q200: library part MOSFET-P, "P-Channel MOSFET"
Q302 Q303: "Single N-channel FET, 11A, 30V"
R100 R101 R102 R103 R104 R105 R106 R107 R108 R109 R110 R111 R112 R113 R114 R115 R116 R117 R118 R119 R120 R121 R200 R201 R202 R203 R204 R205 R206 R207 R208 R209 R211 R213 R214 R215 R216 R217 R218 R219 R220 R221 R222 R223 R224 R225 R226 R300 R301 R303 R304 R305 R306 R307 R308 R309 R310 R311 R312 R313 R314 R315 R316 R317 R318 R319 R320 R321 R322 R323 R324 R325 R326 R327 R328 R329 R330 R331 R332 R333 R334 R335 R336 R337 R338 R339: library part Res1, "Resistor"
R210 R212 R302: library part RES_4TERM
SW100 SW101 SW300 SW301: library part "Header 4", "Chi Fung TS-1187A"
U100: library part STM32F103C8T6, "32-bit ARM Coretex high performance microcontroller"
U101: library part DAC081C81CIMK, "Single 8-bit DAC for I2C bus"
U102: "28V, 0.5A step-down converter with sleep mode"
U200: "SMBus-controlled battery charger with integrated FETs"
U300: library part bq77PL157A, "Voltage protection for 3-series to 6-series Li batteries"
U301: "SBS 1.1-Compliant Gas Gauge and Protection with Impedance Track (TM)"
U302: library part NTMFS4841N, "N channel power MOSFET, 30V, 57A SO-8FL"
Y100: library part XTAL, "Crystal Oscillator"